# Altium PCB Middle_PCB_PC104_Shield_Positioning.PcbDoc (part 1 of 2)
Units mil, origin at the board's own origin, x right, y up, seen from the top; angles counter-clockwise.
Board outline 3550 x 3775 mil, 2 copper layers (Top Layer, Bottom Layer); 171 components, 88 nets, 645 pads, 67 vias.
Unrouted connection lines stored in the file: 2.
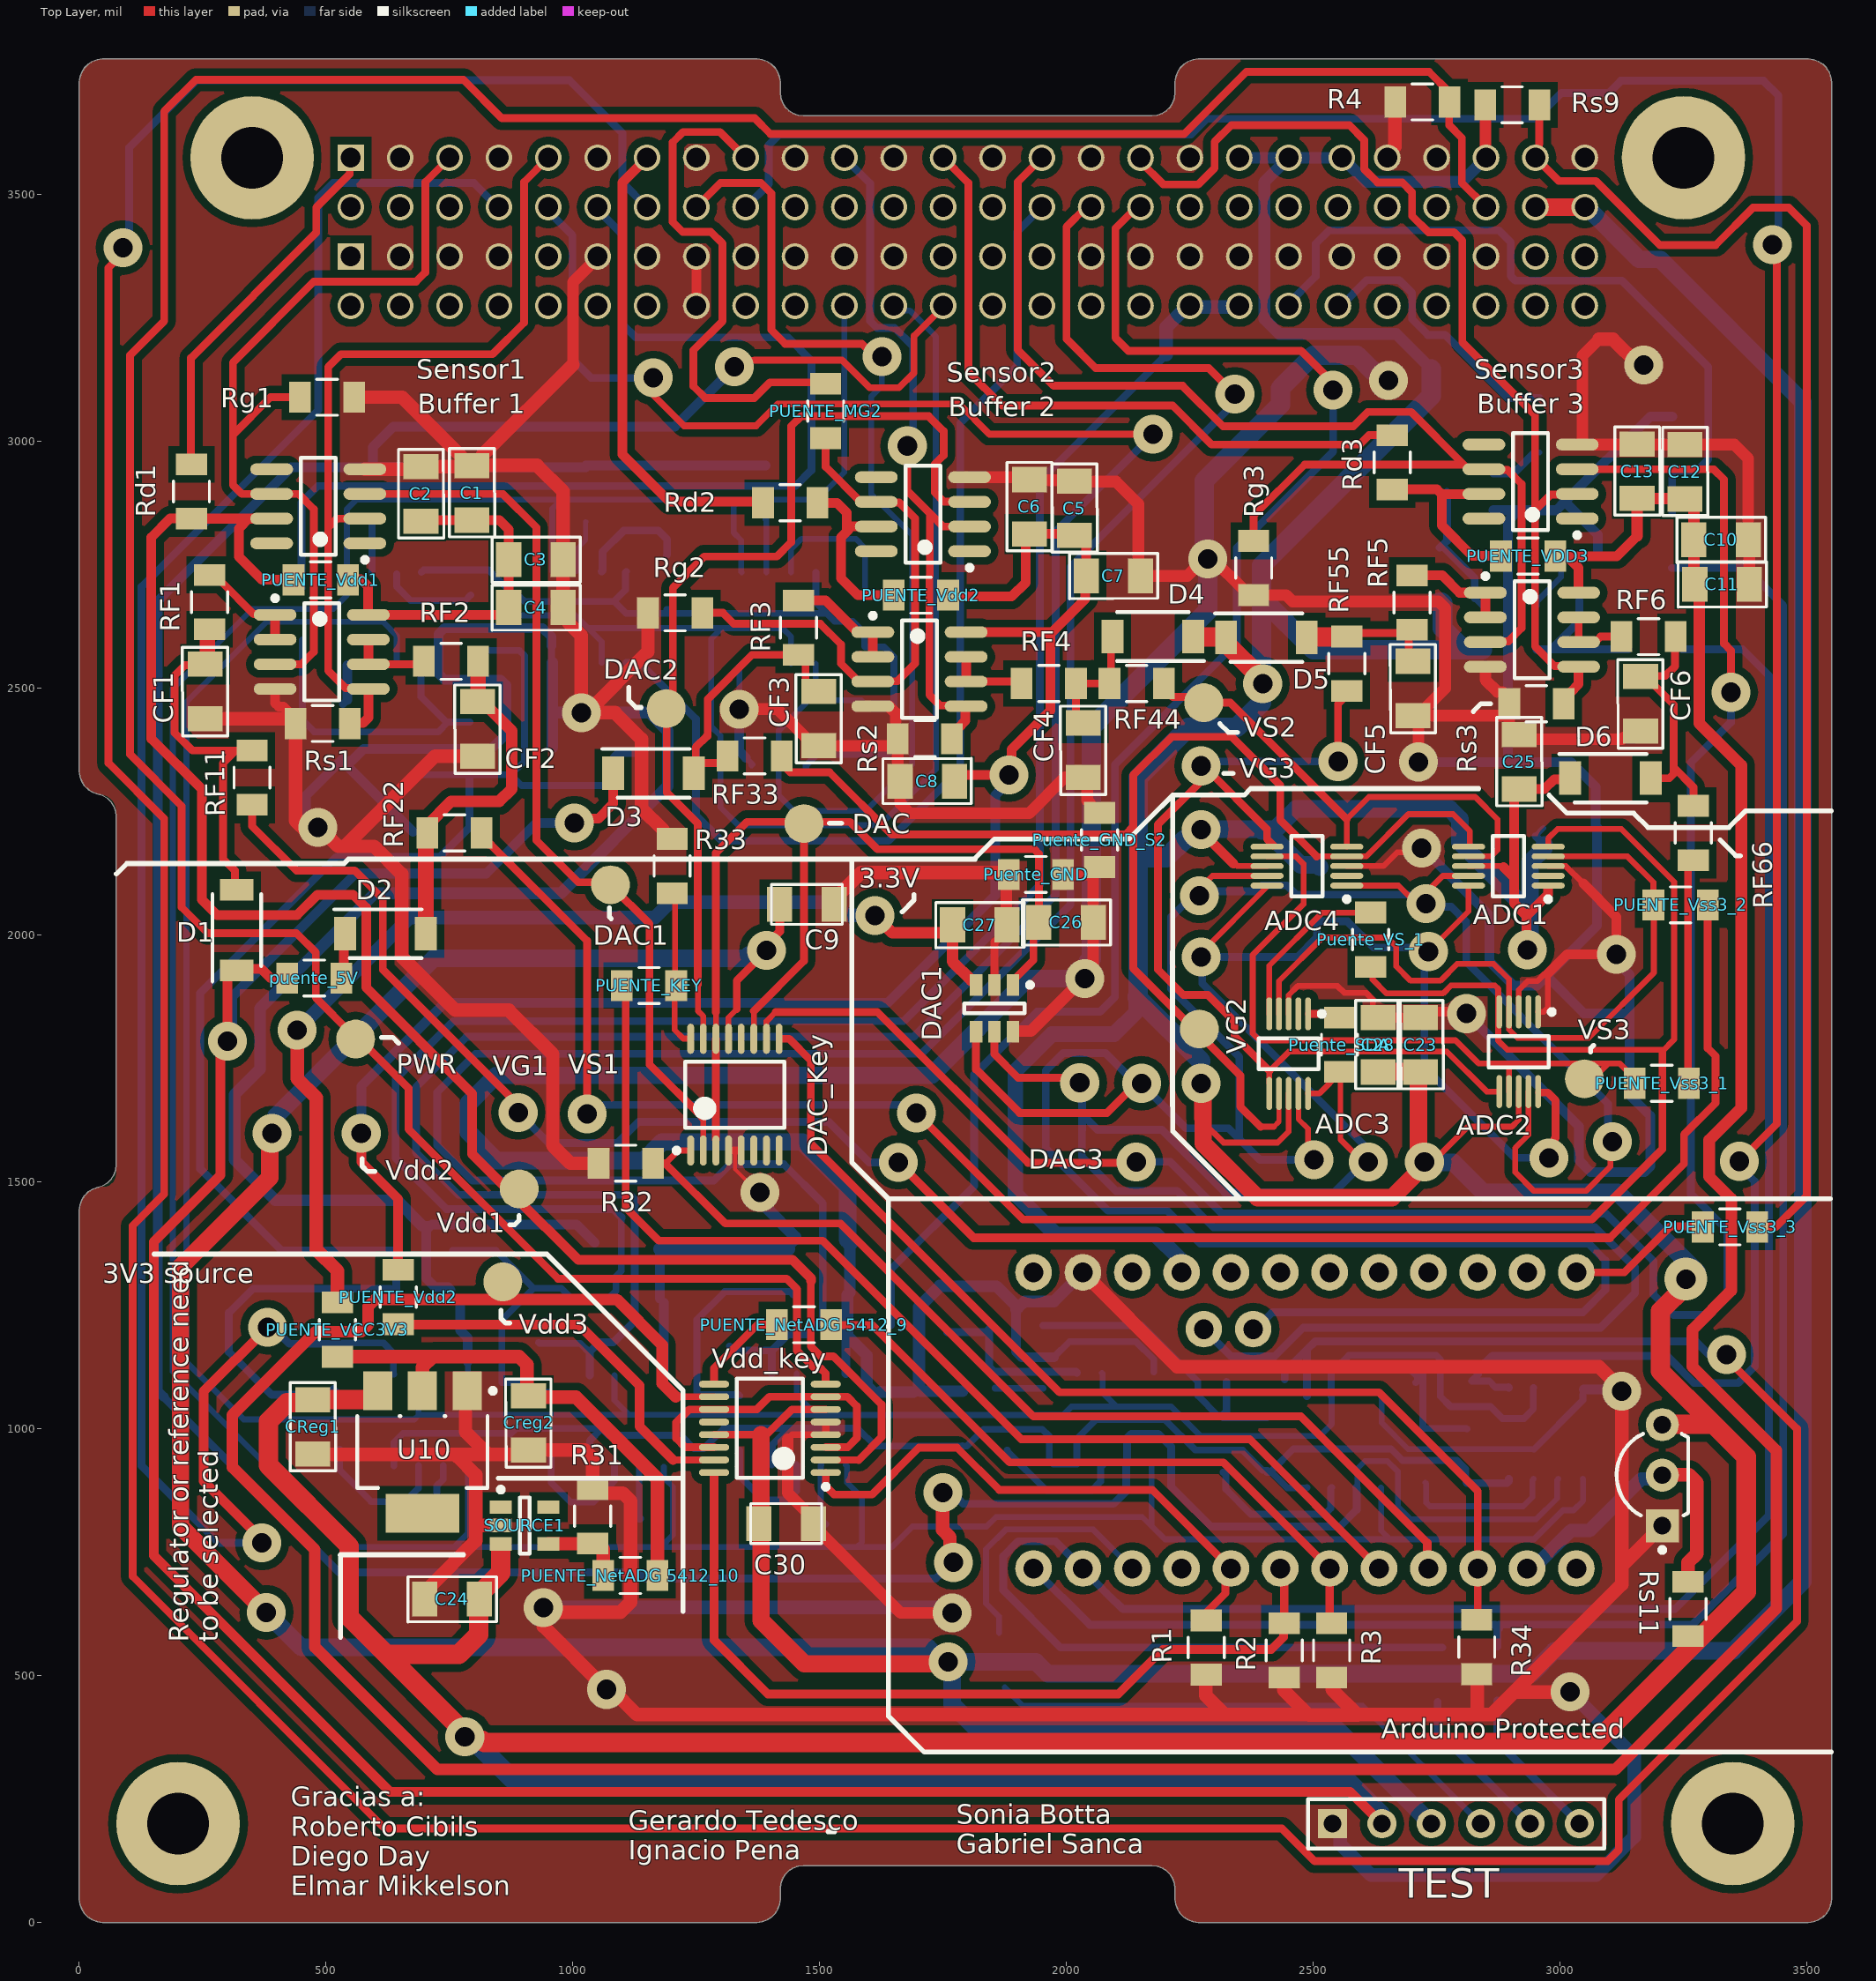
[diagram p0: Top Layer view]
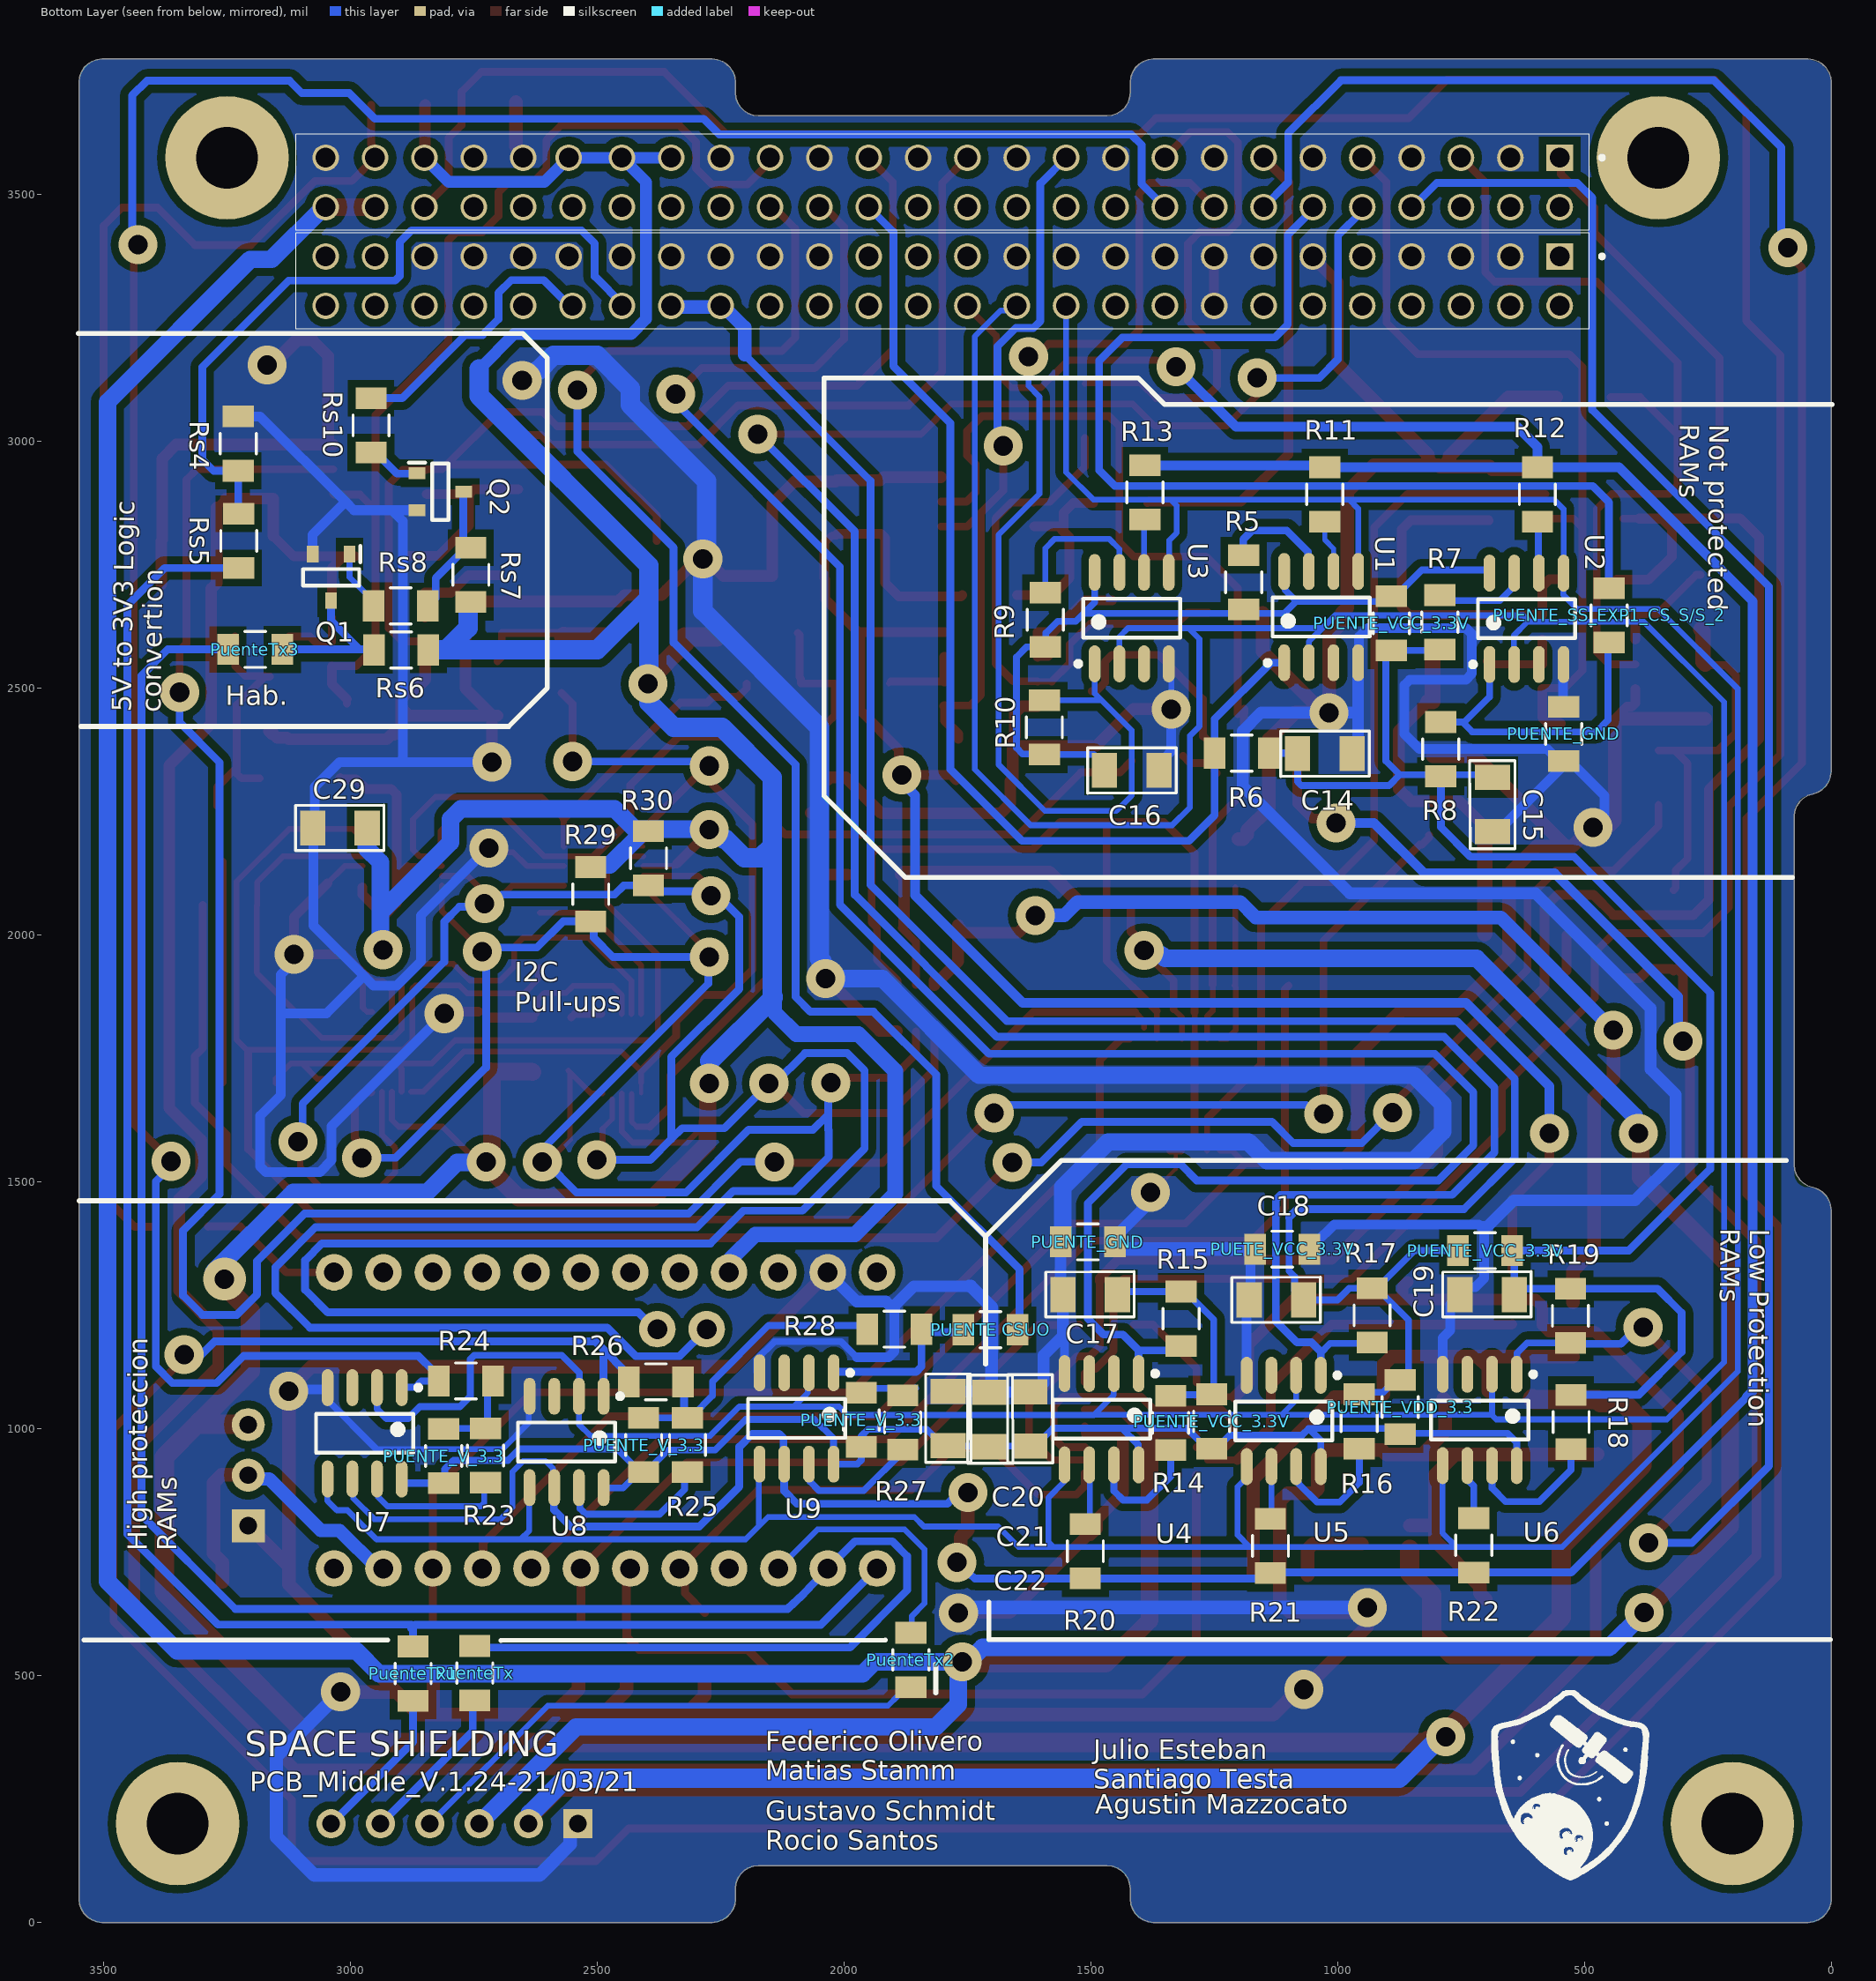
[diagram p1: Bottom Layer view, seen from below]
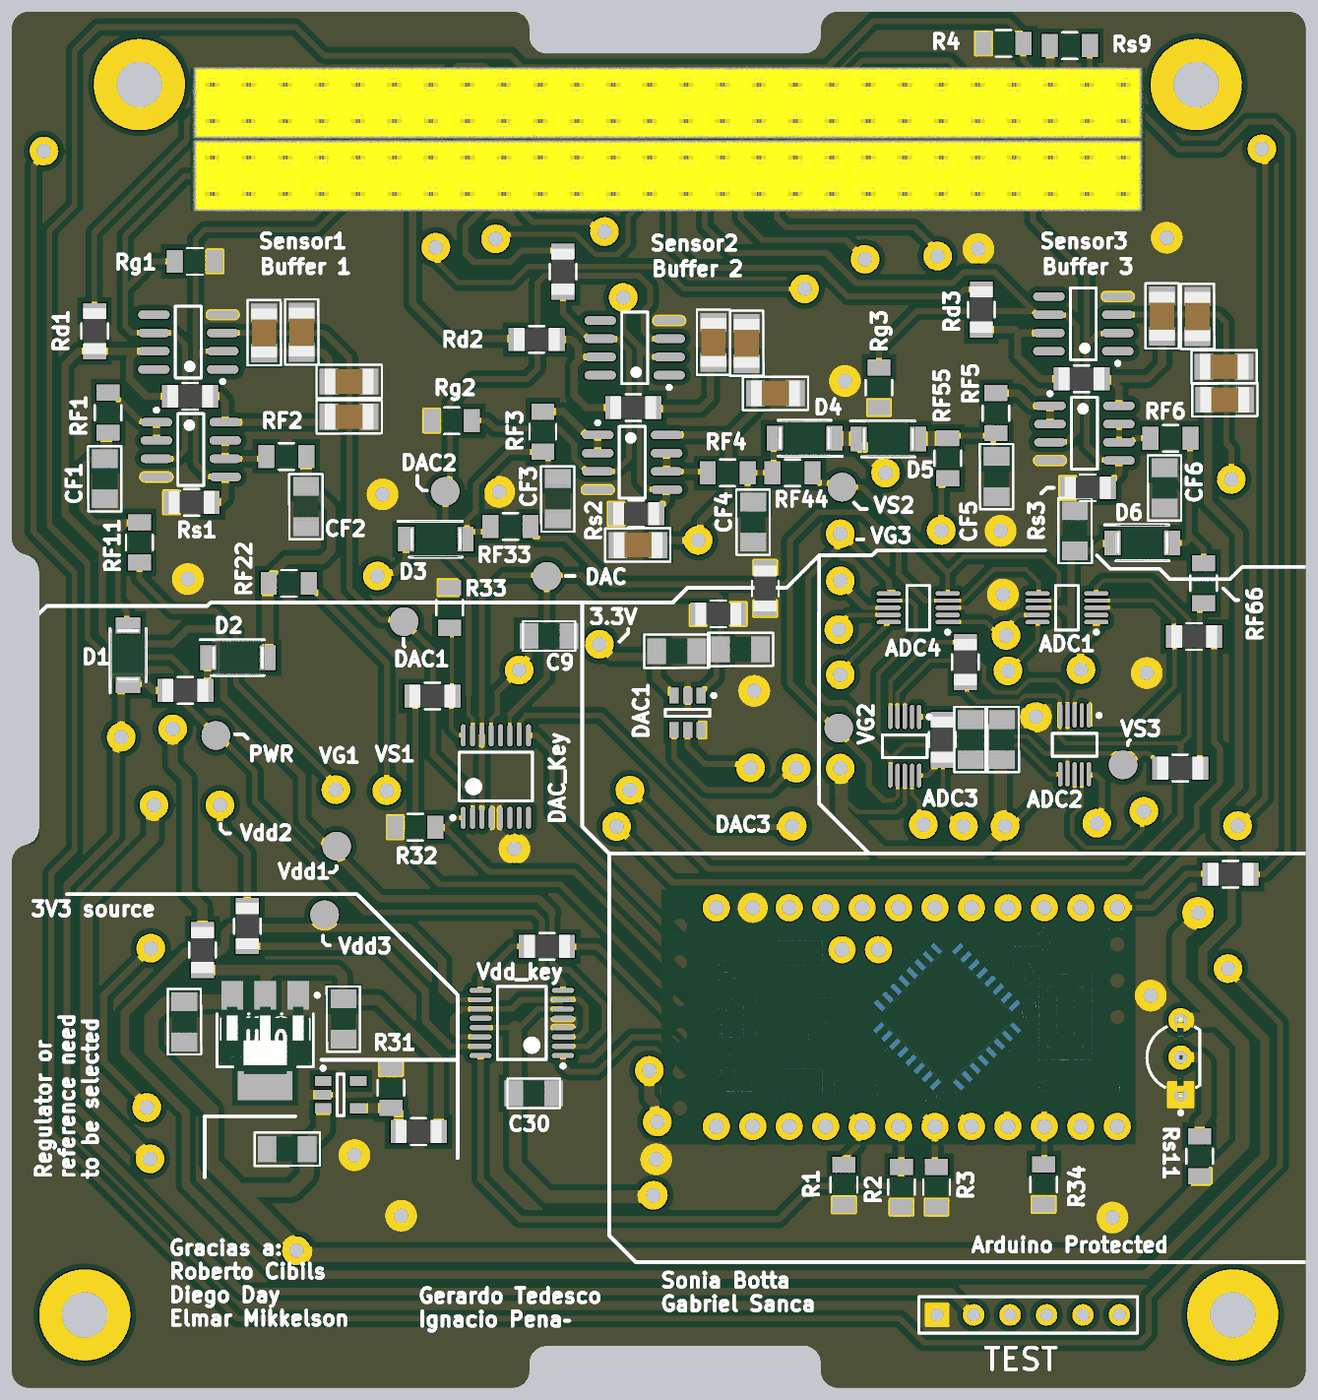
[diagram p3: 3D render of the assembled board from above, using the file's embedded part models]
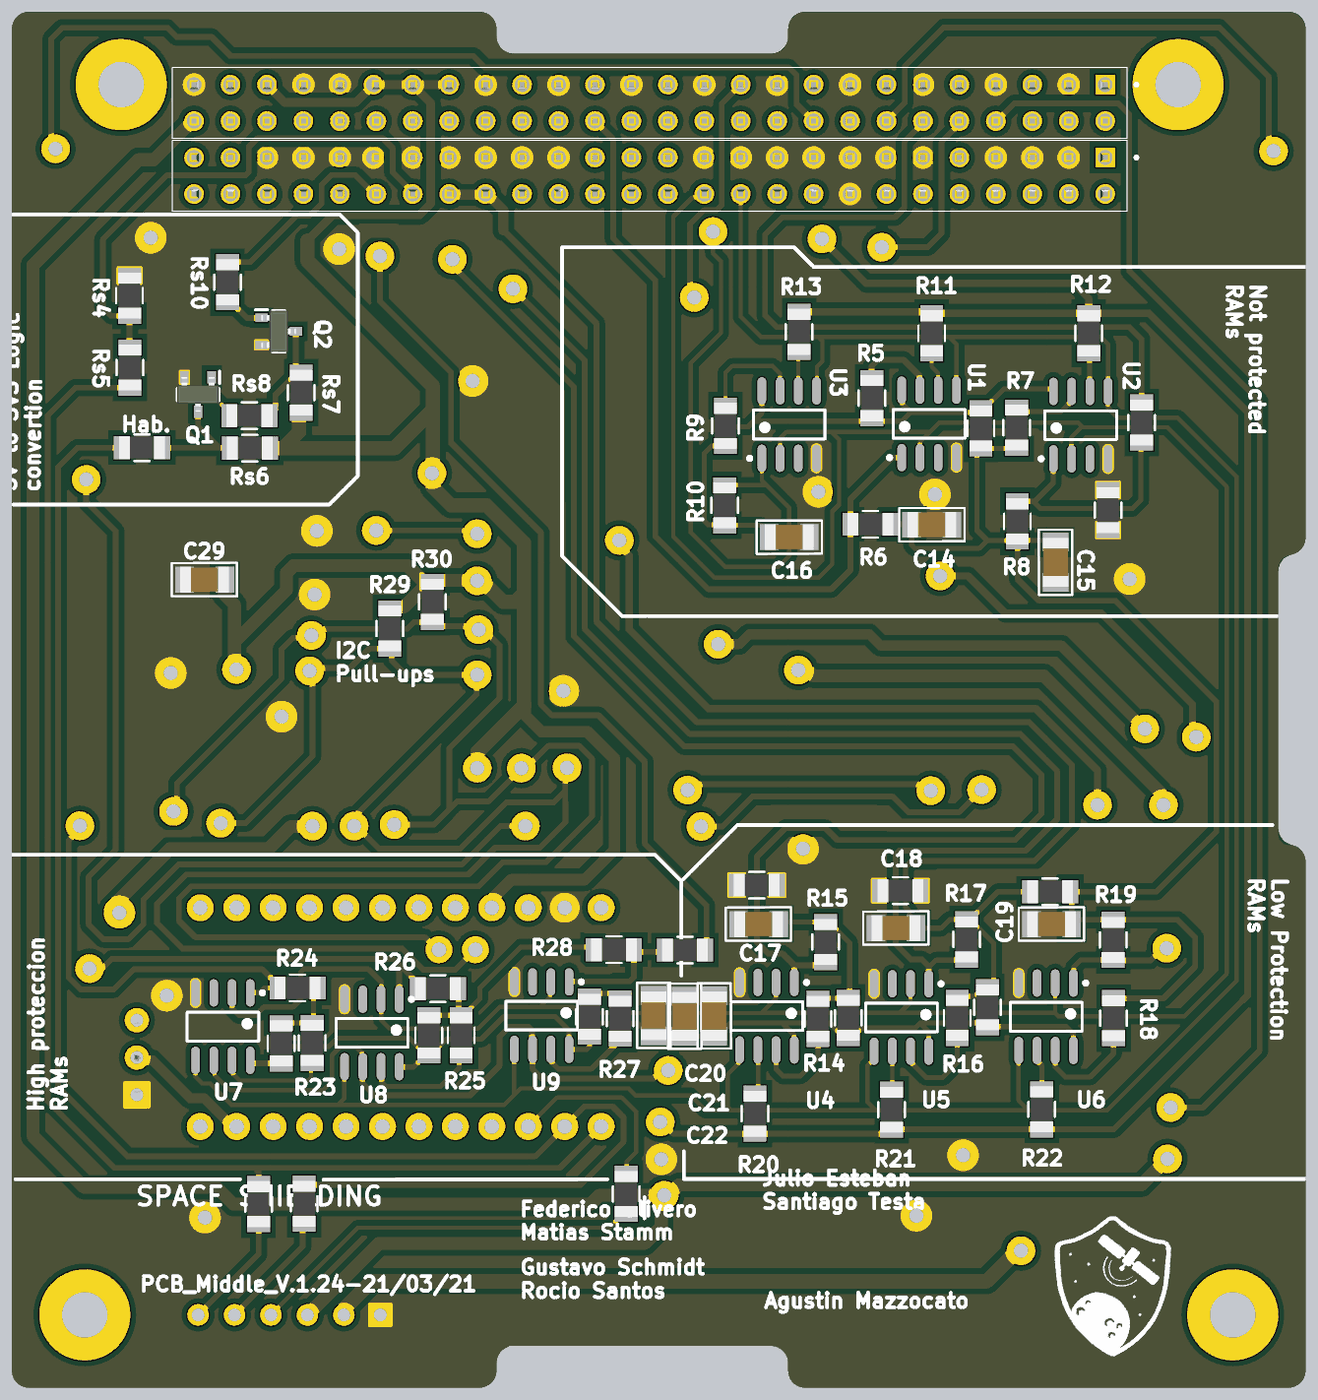
[diagram p4: 3D render of the assembled board from below, using the file's embedded part models]

## Layer stack, top to bottom
Top Solder: solder mask 0.4, Solder Resist, Dk 3.5
Top Layer: signal copper 1.4
Dielectric 1: dielectric 12.6, FR-4, Dk 4.8
Bottom Layer: signal copper 1.4
Bottom Solder: solder mask 0.4, Solder Resist, Dk 3.5

## Board outline
0,1442.94 0,47 1.18,36.54 4.65,26.61 10.25,17.7 17.7,10.25 26.61,4.65 36.54,1.18 47,0 1373,0 1383.46,1.18 1393.39,4.65 1402.3,10.25 1409.75,17.7 1415.35,26.61 1418.82,36.54 1420,47 1420,68 1421.18,78.46 1424.65,88.39 1430.25,97.3 1437.7,104.75 1446.61,110.35 1456.54,113.82 1467,115 2173,115 2183.46,113.82 2193.39,110.35 2202.3,104.75 2209.75,97.3 2215.35,88.39 2218.82,78.46 2220,68 2220,47 2221.18,36.54 2224.65,26.61 2230.25,17.7 2237.7,10.25 2246.61,4.65 2256.54,1.18 2267,0 3503,0 3513.46,1.18 3523.39,4.65 3532.3,10.25 3539.75,17.7 3545.35,26.61 3548.82,36.54 3550,47 3550,3728 3548.82,3738.46 3545.35,3748.39 3539.75,3757.3 3532.3,3764.75 3523.39,3770.35 3513.46,3773.82 3503,3775 2267,3775 2256.54,3773.82 2246.61,3770.35 2237.7,3764.75 2230.25,3757.3 2224.65,3748.39 2221.18,3738.46 2220,3728 2220,3707 2218.82,3696.54 2215.35,3686.61 2209.75,3677.7 2202.3,3670.25 2193.39,3664.65 2183.46,3661.18 2173,3660 1467,3660 1456.54,3661.18 1446.61,3664.65 1437.7,3670.25 1430.25,3677.7 1424.65,3686.61 1421.18,3696.54 1420,3707 1420,3728 1418.82,3738.46 1415.35,3748.39 1409.75,3757.3 1402.3,3764.75 1393.39,3770.35 1383.46,3773.82 1373,3775 47,3775 36.54,3773.82 26.61,3770.35 17.7,3764.75 10.25,3757.3 4.65,3748.39 1.18,3738.46 0,3728 0,2332.06 1.22,2321.44 4.8,2311.37 10.56,2302.37 18.21,2294.91 27.35,2289.37 37.5,2286.03 47.65,2282.69 56.79,2277.15 64.44,2269.69 70.2,2260.69 73.79,2250.62 75,2240 75,1535 73.79,1524.38 70.2,1514.31 64.44,1505.31 56.79,1497.85 47.65,1492.31 37.5,1488.97 27.35,1485.63 18.21,1480.09 10.56,1472.63 4.8,1463.63 1.22,1453.56

## Design rules (kind name [scope] priority, off if disabled: settings)
Clearance Clearance_7 [InNamedPolygon('GND_L02_P004')] p1: gap=15.75 ignorepadtopadclearanceinfootprint=FALSE except(0: Arc-Hole Track-Hole SMDPad-Hole THPad-Hole Via-Hole Fill-Hole Poly-Hole Region-Hole Text-Hole)
Clearance Clearance_6 [InNamedPolygon('GND_L01_P002')] p2: gap=15.75 ignorepadtopadclearanceinfootprint=FALSE except(0: Arc-Hole Track-Hole SMDPad-Hole THPad-Hole Via-Hole Fill-Hole Poly-Hole Region-Hole Text-Hole)
Clearance Clearance_5 [InNamedPolygon('GND_L01_P002')] p3: gap=15.75 ignorepadtopadclearanceinfootprint=FALSE except(0: Arc-Hole Track-Hole SMDPad-Hole THPad-Hole Via-Hole Fill-Hole Poly-Hole Region-Hole Text-Hole)
Clearance Clearance_4 [InNamedPolygon('GND_L01_P002')] p4: gap=15.75 ignorepadtopadclearanceinfootprint=FALSE except(0: Arc-Hole Track-Hole SMDPad-Hole THPad-Hole Via-Hole Fill-Hole Poly-Hole Region-Hole Text-Hole)
Clearance Clearance_3 [InNamedPolygon('GND_L01_P001')] p5: gap=15.75 ignorepadtopadclearanceinfootprint=FALSE except(0: Arc-Hole Track-Hole SMDPad-Hole THPad-Hole Via-Hole Fill-Hole Poly-Hole Region-Hole Text-Hole)
Clearance Clearance_2 [InNamedPolygon('GND_L02_P000')] p6: gap=15.75 ignorepadtopadclearanceinfootprint=FALSE except(0: Arc-Hole Track-Hole SMDPad-Hole THPad-Hole Via-Hole Fill-Hole Poly-Hole Region-Hole Text-Hole)
Clearance Clearance_1 [InNamedPolygon('GND_L02_P000')] p7: gap=10 ignorepadtopadclearanceinfootprint=FALSE except(15.75: Arc-Arc Arc-Track Arc-Text Arc-Hole Track-Track Track-Text Track-Hole SMDPad-Text SMDPad-Hole THPad-Text THPad-Hole Via-Text Via-Hole Fill-Text Fill-Hole Poly-Text Poly-Hole Region-Text Region-Hole Text-Text Text-Hole)
Clearance [All] p8: gap=7.87 ignorepadtopadclearanceinfootprint=FALSE
ComponentClearance [All] p1: gap=0 collisioncheckmode=3 verticalgap=0 showdistances=FALSE
PolygonConnect PolygonConnect_2 [All vs IsNamedPolygon('GND_L02_P004')] p1: connectstyle=Direct reliefconductorwidth=10 reliefentries=4 polygonreliefangle="90 Angle" airgapwidth=10
PolygonConnect PolygonConnect_1 [All vs IsNamedPolygon('GND_L01_P002')] p2: connectstyle=Direct reliefconductorwidth=10 reliefentries=4 polygonreliefangle="90 Angle" airgapwidth=10
PolygonConnect [All] p3: connectstyle=Relief reliefconductorwidth=10 reliefentries=4 polygonreliefangle="90 Angle" airgapwidth=10
RoutingVias [All] p1: holewidth=28 width=50 viastyle="Through Hole" minholewidth=28 minwidth=50 maxholewidth=28 maxwidth=50
SMDNeckDown [All] p1 off: percent=66.000
SolderMaskExpansion [All] p1: expansion=4 istentingtop=FALSE
Width [All] p1: maxlimit=39.37 minlimit=7.87 preferedwidth=11.81 minimp=50.000000 maximp=50.000000 favimp=50.000000
29 further rules are at their usual default settings.

## Classes and differential pairs
component class Designator: ADC1 ADC2 ADC3 ADC4 C25 C26 C27 C28 C29 CF1 CF2 CF3 CF4 CF5 CF6 CReg1 Creg2 DAC1 R22 RF1 RF2 RF3 RF4 RF5 RF6

## Components (designator, comment, footprint, x,y, rotation, side; value= is the part's Value field where it differs from the comment)
ADC1 "ADS1115IDGST" TI-DGS10_N 2895.1,2139.85 r180 top
ADC2 "ADS1115IDGST" TI-DGS10_N 2916.1,1763.85 r270 top
ADC3 "ADS1115IDGST" TI-DGS10_N 2450.1,1759.85 r270 top
ADC4 "ADS1115IDGST" TI-DGS10_N 2487.1,2139.85 r180 top (schematic designator ADC_1)
"Arduino Protected" "Arduino_Pro_Mini" Arduino_Pro_Mini 3083.1,596.85 r90 top locked (schematic designator "Arduino Protected1")
"Buffer 1" "OPA2735AID" TI-D8_N 491.1,2573.85 r0 top
"Buffer 2" "OPA2735AID" TI-D8_N 1702.1,2538.85 r0 top
"Buffer 3" "OPA2735AID" TI-D8_N 2943.1,2618.85 r0 top
C1 "1uF" C1206 795.1,2895.85 r270 top
C2 "100nF" C1206 692.1,2893.85 r270 top
C3 "1uF" C1206 925.1,2760.85 r180 top
C4 "100nF" C1206 925.1,2663.85 r180 top
C5 "1uF" C1206 2016.1,2864.85 r270 top
C6 "100nF" C1206 1925.1,2867.85 r270 top
C7 "1uF" C1206 2095,2728 r180 top
C8 "100nF" C1206 1718.1,2311.85 r0 top
C9 "100nF" C1206 1474,2062.21 r180 top
C10 "1uF" C1206 3326.1,2800.85 r180 top
C11 "100nF" C1206 3328.1,2710.85 r180 top
C12 "1uF" C1206 3253.1,2938.85 r270 top
C13 "100nF" C1206 3156.1,2939.85 r270 top
C14 "100nF" C1206 1025.98,2367.85 r0 bottom
C15 "100nF" C1206 686.1,2264.85 r90 bottom
C16 "100nF" C1206 1417.1,2333.85 r0 bottom
C17 "100nF" C1206 1501.1,1271.85 r180 bottom
C18 "100nF" C1206 1124.1,1260.85 r180 bottom
C19 "100nF" C1206 697.1,1271.85 r180 bottom
C20 "100nF" C1206 1789.1,1020.85 r270 bottom
C21 "100nF" C1206 1704.1,1018.85 r270 bottom
C22 "100nF" C1206 1623.1,1019.85 r270 bottom
C23 "100nF" C1206 2717.1,1777.85 r270 top
C24 "0.1uf" C1206 755.1,654.85 r180 top
C25 "100nF" C1206 2917,2351 r270 top
C26 "100nF" C1206 1999.1,2025.85 r180 top
C27 "100nF" C1206 1824.1,2020.85 r180 top
C28 "100nF" C1206 2631.1,1777.85 r270 top
C29 "100nF" C1206 3021.1,2216.85 r180 bottom
C30 "100nF" C1206 1432,808 r180 top
CF1 "22uF" C1206 255.1,2493.85 r90 top
CF2 "22uF" C1206 807.1,2417.85 r90 top
CF3 "22uF" C1206 1498.1,2438.85 r90 top
CF4 "22uF" C1206 2034.1,2374.85 r90 top
CF5 "22uF" C1206 2702.1,2499.85 r90 top
CF6 "22uF" C1206 3163.1,2468.85 r90 top
CReg1 "10uF" C1206 473.1,1003.85 r270 top
Creg2 "10uF" C1206 910.1,1011.85 r90 top
D1 "RBR3LAM30ATFTR" SODFL4725X105N 319,2010 r90 top
D2 "RBR3LAM30ATFTR" SODFL4725X105N 620.31,2003 r0 top
D3 "RBR3LAM30ATFTR" SODFL4725X105N 1163.31,2328 r0 top
D4 "RBR3LAM30ATFTR" SODFL4725X105N 2175,2605 r180 top
D5 "RBR3LAM30ATFTR" SODFL4725X105N 2405,2603 r0 top
D6 "RBR3LAM30ATFTR" SODFL4725X105N 3102,2318 r0 top
DAC1 "MCP4725A0T-E/CH" SOT-23-CH6_N 1854.1,1851.85 r270 top
DAC_Key "Llave2" ADI-RU-16_N 1328.1,1676.85 r90 top (schematic designator KEY_DAC1)
H1 "PC104 Stackable connector" SAMTEC_ESQ-126-39-G-D 550,3475 r0 bottom locked
H2 "PC104 Stackable connector" SAMTEC_ESQ-126-39-G-D 550,3275 r0 bottom locked
IC1 "DS18S20+" ONSC-TO-92-3-29-11_AM_BL 3207,906 r90 top
"PUENTE CSUO" "Comment" R1206#1 1703.1,1200.85 r180 bottom
puente_5V "Comment" R1206#1 476,1913 r0 top
Puente_GND "Comment" R1206#1 1938.1,2122.85 r0 top
PUENTE_GND "Comment" R1206#1 542.1,2407.85 r90 bottom
PUENTE_GND "Comment" R1206#1 1506.1,1378.85 r180 bottom
Puente_GND_S2 "Comment" R1206#1 2067.1,2192.85 r90 top
PUENTE_KEY "Comment" R1206#1 1154.1,1897.85 r0 top
PUENTE_MG2 "Comment" R1206#1 1512.1,3061.85 r90 top
"PUENTE_NetADG 5412_9" "Comment" R1206#1 1468.1,1210.85 r0 top
"PUENTE_NetADG 5412_10" "Comment" R1206#2 1116.1,702.85 r0 top
Puente_SDA "Comment" R1206#1 2553.1,1777.85 r90 top
PUENTE_SS_EXP1_CS_S/S_2 "Comment" R1206#1 450.1,2647.85 r90 bottom
PUENTE_V_3.3 "Comment" R1206#1 1965.1,1017.85 r90 bottom
PUENTE_V_3.3 "Comment" R1206#1 2406,967 r270 bottom
PUENTE_V_3.3 "Comment" R1206#1 2811.1,944.85 r90 bottom
PUENTE_VCC3V3 "Comment" R1206#1 523.1,1200.85 r90 top
PUENTE_VCC_3.3V "Comment" R1206#1 891.1,2631.85 r90 bottom
PUENTE_VCC_3.3V "Comment" R1206#1 701.1,1360.85 r180 bottom
PUENTE_VCC_3.3V "Comment" R1206#1 1255.1,1014.85 r270 bottom
PUENTE_Vdd1 "Comment" R1206#1 489.1,2719.85 r0 top
PUENTE_Vdd2 "Comment" R1206#1 646.1,1266.85 r90 top
PUENTE_Vdd2 "Comment" R1206#1 1705.1,2688.85 r0 top
PUENTE_VDD3 "Comment" R1206#1 2935.1,2767.85 r180 top
PUENTE_VDD_3.3 "Comment" R1206#1 873.1,1043.85 r270 bottom
Puente_VS_1 "Comment" R1206#1 2616.1,1990.85 r90 top
PUENTE_Vss3_1 "Comment" R1206#1 3206,1700 r0 top
PUENTE_Vss3_2 "Comment" R1206#1 3244,2061.17 r0 top
PUENTE_Vss3_3 "Comment" R1206#3 3344,1409 r0 top
PuenteTx "Comment" R1206#1 2748,505 r270 bottom
PuenteTx1 "Comment" R1206#1 2873,504 r270 bottom
PuenteTx2 "Comment" R1206#4 1864.52,531.71 r270 bottom
PuenteTx3 "Comment" R1206#1 3193,2579 r0 bottom
PUETE_VCC_3.3V "Comment" R1206#1 1112.1,1363.85 r180 bottom
Q1 "MMBT2222" SOT95P240X114-3N 3039.1,2724.85 r270 bottom
Q2 "MMBT2222" SOT95P240X114-3N 2817.85,2898.25 r180 bottom
R1 "10k" R1206#1 2283.1,556.85 r90 top
R2 "10k" R1206#1 2441.1,550.85 r90 top
R3 "10k" R1206#1 2537.1,550.85 r90 top
R4 "10k" R1206#1 2721,3688 r0 top
R5 "4k7" R1206#1 1190.1,2714.85 r270 bottom
R6 "4k7" R1206#1 1194.1,2368.85 r180 bottom
R7 "4k7" R1206#1 792.92,2633.85 r270 bottom
R8 "4k7" R1206#1 791.1,2376.85 r270 bottom
R9 "4k7" R1206#1 1591.92,2638.85 r270 bottom
R10 "4k7" R1206#1 1594.1,2420.85 r270 bottom
R11 "0" R1206#1 1026.1,2892.85 r90 bottom
R12 "0" R1206#1 595.1,2892.85 r90 bottom
R13 "0" R1206#1 1390.1,2896.85 r90 bottom
R14 "4k7" R1206#1 1338.1,1011.85 r90 bottom
R15 "4k7" R1206#1 1317.1,1222.85 r90 bottom
R16 "4k7" R1206#1 956.1,1014.85 r90 bottom
R17 "4k7" R1206#1 930.1,1229.85 r90 bottom
R18 "4k7" R1206#1 527.1,1013.85 r90 bottom
R19 "4k7" R1206#1 528.1,1228.85 r90 bottom
R20 "0" R1206#1 1511.1,751.85 r270 bottom
R21 "0" R1206#1 1136.1,762.85 r270 bottom
R22 "0" R1206#1 724.1,763.85 r270 bottom
R23 "4k7" R1206#1 2726.1,945.85 r90 bottom
R24 "4k7" R1206#1 2766.1,1096.85 r180 bottom
R25 "4k7" R1206#1 2317,967 r90 bottom
R26 "4k7" R1206#1 2381,1095 r180 bottom
R27 "4k7" R1206#1 1881.1,1012.85 r90 bottom
R28 "4k7" R1206#1 1898.1,1201.85 r0 bottom
R29 "4k7" R1206#1 2513.1,2082.85 r90 bottom
R30 "4k7" R1206#1 2396.1,2155.85 r90 bottom
R31 "TBD" R1206#1 1040.1,822.85 r270 top
R32 "10k" R1206#1 1107.1,1537.85 r0 top
R33 "10k" R1206#1 1201,2140 r270 top
R34 "10k" R1206#1 2831.1,557.85 r90 top
Rd1 "1k" R1206#1 227.1,2898.85 r270 top
Rd2 "1k" R1206#1 1440.1,2875.85 r0 top
Rd3 "1K" R1206#1 2660.1,2957.85 r270 top
RF1 "2k55" R1206#1 264.1,2674.85 r90 top
RF2 "2k55" R1206#1 753.1,2554.85 r180 top
RF3 "2k55" R1206#1 1457.1,2622.85 r90 top
RF4 "2k55" R1206#1 1964.1,2509.85 r180 top
RF5 "2k55" R1206#1 2700.1,2673.85 r90 top
RF6 "2k55" R1206#1 3179.1,2604.85 r180 top
RF11 "R1206" R1206#1 350,2319 r90 top
RF22 "R1206" R1206#1 760,2207 r180 top
RF33 "R1206" R1206#1 1368,2363 r180 top
RF44 "R1206" R1206#1 2142,2510 r180 top
RF55 "R1206" R1206#1 2568,2550 r90 top
RF66 "R1206" R1206#1 3270,2207 r90 top
Rg1 "10Meg" R1206#1 502.1,3089.85 r180 top
Rg2 "10Meg" R1206#1 1207,2653 r0 top